# KiCad board oibus-mini-CCC_PANEL.kicad_pcb (continued)
## Routing (per net, layer and track width the routed paths; a pad name or vN(x,y) marks a point on that pad's centre or on a via; arc(x,y) is an arc through that point) (continued)
  Bottom w0.2: v2(44,25.21) 47.52,25.21 v2(47.86,24.87) ; v2(59.6,25.92) 59.6,24.79 v2(59.95,24.44) ; v2(81,25.21) 84.52,25.21 v2(84.86,24.87) ; v2(96.6,25.92) 96.6,24.79 v2(96.95,24.44) ; v2(118,25.21) 121.52,25.21 v2(121.86,24.87) ; v2(133.6,25.92) 133.6,24.79 v2(133.95,24.44) ; v2(155,25.21) 158.52,25.21 v2(158.86,24.87) ; v2(170.6,25.92) 170.6,24.79 v2(170.95,24.44) ; v2(192,25.21) 195.52,25.21 v2(195.86,24.87) ; v2(207.6,25.92) 207.6,24.79 v2(207.95,24.44) ; v2(229,25.21) 232.52,25.21 v2(232.86,24.87) ; v2(244.6,25.92) 244.6,24.79 v2(244.95,24.44) ; v2(266,25.21) 269.52,25.21 v2(269.86,24.87) ; v2(281.6,25.92) 281.6,24.79 v2(281.95,24.44) ; v2(7,91.21) 10.52,91.21 v2(10.86,90.87) ; v2(22.6,91.92) 22.6,90.79 v2(22.95,90.44) ; v2(81,91.21) 84.52,91.21 v2(84.86,90.87) ; v2(96.6,91.92) 96.6,90.79 v2(96.95,90.44) ; v2(44,91.21) 47.52,91.21 v2(47.86,90.87) ; v2(59.6,91.92) 59.6,90.79 v2(59.95,90.44) ; v2(118,91.21) 121.52,91.21 v2(121.86,90.87) ; v2(133.6,91.92) 133.6,90.79 v2(133.95,90.44) ; v2(155,91.21) 158.52,91.21 v2(158.86,90.87) ; v2(170.6,91.92) 170.6,90.79 v2(170.95,90.44) ; v2(192,91.21) 195.52,91.21 v2(195.86,90.87) ; v2(207.6,91.92) 207.6,90.79 v2(207.95,90.44) ; v2(281.95,90.44) 281.6,90.79 v2(281.6,91.92) ; v2(266,91.21) 269.52,91.21 v2(269.86,90.87) ; v2(229,91.21) 232.52,91.21 v2(232.86,90.87) ; v2(244.6,91.92) 244.6,90.79 v2(244.95,90.44) ; v2(22.95,222.44) 22.6,222.79 v2(22.6,223.92) ; v2(7,223.21) 10.52,223.21 v2(10.86,222.87) ; v2(96.6,223.92) 96.6,222.79 v2(96.95,222.44) ; v2(81,223.21) 84.52,223.21 v2(84.86,222.87) ; v2(44,223.21) 47.52,223.21 v2(47.86,222.87) ; v2(59.6,223.92) 59.6,222.79 v2(59.95,222.44) ; v2(133.95,222.44) 133.6,222.79 v2(133.6,223.92) ; v2(118,223.21) 121.52,223.21 v2(121.86,222.87) ; v2(155,223.21) 158.52,223.21 v2(158.86,222.87) ; v2(170.6,223.92) 170.6,222.79 v2(170.95,222.44) ; v2(7,157.21) 10.52,157.21 v2(10.86,156.87) ; v2(22.6,157.92) 22.6,156.79 v2(22.95,156.44) ; v2(81,157.21) 84.52,157.21 v2(84.86,156.87) ; v2(96.6,157.92) 96.6,156.79 v2(96.95,156.44) ; v2(44,157.21) 47.52,157.21 v2(47.86,156.87) ; v2(59.6,157.92) 59.6,156.79 v2(59.95,156.44) ; v2(118,157.21) 121.52,157.21 v2(121.86,156.87) ; v2(133.6,157.92) 133.6,156.79 v2(133.95,156.44) ; v2(155,157.21) 158.52,157.21 v2(158.86,156.87) ; v2(170.6,157.92) 170.6,156.79 v2(170.95,156.44) ; v2(192,157.21) 195.52,157.21 v2(195.86,156.87) ; v2(207.6,157.92) 207.6,156.79 v2(207.95,156.44) ; v2(281.95,156.44) 281.6,156.79 v2(281.6,157.92) ; v2(266,157.21) 269.52,157.21 v2(269.86,156.87) ; v2(229,157.21) 232.52,157.21 v2(232.86,156.87) ; v2(244.6,157.92) 244.6,156.79 v2(244.95,156.44) ; v2(192,223.21) 195.52,223.21 v2(195.86,222.87) ; v2(207.6,223.92) 207.6,222.79 v2(207.95,222.44) ; v2(281.95,222.44) 281.6,222.79 v2(281.6,223.92) ; v2(229,223.21) 232.52,223.21 v2(232.86,222.87) ; v2(244.6,223.92) 244.6,222.79 v2(244.95,222.44) ; v2(266,223.21) 269.52,223.21 v2(269.86,222.87) ; v2(22.6,25.92) 22.6,24.79 v2(22.95,24.44) ; v2(7,25.21) 10.52,25.21 v2(10.86,24.87)
/SDA: length 1695.4
  Top w0.15: 40,21.56 39.75,21.56 ; v2(44,24.41) 40,24.41 39.25,23.66 39.25,22.41 39.8,21.86 U6#2.1 ; 77,21.56 76.75,21.56 ; v2(81,24.41) 77,24.41 76.25,23.66 76.25,22.41 76.8,21.86 U6#3.1 ; 114,21.56 113.75,21.56 ; v2(118,24.41) 114,24.41 113.25,23.66 113.25,22.41 113.8,21.86 U6#4.1 ; 151,21.56 150.75,21.56 ; v2(155,24.41) 151,24.41 150.25,23.66 150.25,22.41 150.8,21.86 U6#5.1 ; v2(192,24.41) 188,24.41 187.25,23.66 187.25,22.41 187.8,21.86 U6#6.1 ; 188,21.56 187.75,21.56 ; v2(229,24.41) 225,24.41 224.25,23.66 224.25,22.41 224.8,21.86 U6#7.1 ; 225,21.56 224.75,21.56 ; 262,21.56 261.75,21.56 ; v2(266,24.41) 262,24.41 261.25,23.66 261.25,22.41 261.8,21.86 U6#8.1 ; 3,87.56 2.75,87.56 ; v2(7,90.41) 3,90.41 2.25,89.66 2.25,88.41 2.8,87.86 U6#10.1 ; 77,87.56 76.75,87.56 ; v2(81,90.41) 77,90.41 76.25,89.66 76.25,88.41 76.8,87.86 U6#9.1 ; 40,87.56 39.75,87.56 ; v2(44,90.41) 40,90.41 39.25,89.66 39.25,88.41 39.8,87.86 U6#12.1 ; v2(118,90.41) 114,90.41 113.25,89.66 113.25,88.41 113.8,87.86 U6#11.1 ; 114,87.56 113.75,87.56 ; v2(155,90.41) 151,90.41 150.25,89.66 150.25,88.41 150.8,87.86 U6#13.1 ; 151,87.56 150.75,87.56 ; 188,87.56 187.75,87.56 ; v2(192,90.41) 188,90.41 187.25,89.66 187.25,88.41 187.8,87.86 U6#14.1 ; v2(266,90.41) 262,90.41 261.25,89.66 261.25,88.41 261.8,87.86 U6#16.1 ; 262,87.56 261.75,87.56 ; 225,87.56 224.75,87.56 ; v2(229,90.41) 225,90.41 224.25,89.66 224.25,88.41 224.8,87.86 U6#15.1 ; 3,219.56 2.75,219.56 ; v2(7,222.41) 3,222.41 2.25,221.66 2.25,220.41 2.8,219.86 U6#24.1 ; 77,219.56 76.75,219.56 ; v2(81,222.41) 77,222.41 76.25,221.66 76.25,220.41 76.8,219.86 U6#23.1 ; v2(44,222.41) 40,222.41 39.25,221.66 39.25,220.41 39.8,219.86 U6#28.1 ; 40,219.56 39.75,219.56 ; 114,219.56 113.75,219.56 ; v2(118,222.41) 114,222.41 113.25,221.66 113.25,220.41 113.8,219.86 U6#27.1 ; 151,219.56 150.75,219.56 ; v2(155,222.41) 151,222.41 150.25,221.66 150.25,220.41 150.8,219.86 U6#29.1 ; 3,153.56 2.75,153.56 ; v2(7,156.41) 3,156.41 2.25,155.66 2.25,154.41 2.8,153.86 U6#18.1 ; 77,153.56 76.75,153.56 ; v2(81,156.41) 77,156.41 76.25,155.66 76.25,154.41 76.8,153.86 U6#17.1 ; 40,153.56 39.75,153.56 ; v2(44,156.41) 40,156.41 39.25,155.66 39.25,154.41 39.8,153.86 U6#20.1 ; v2(118,156.41) 114,156.41 113.25,155.66 113.25,154.41 113.8,153.86 U6#19.1 ; 114,153.56 113.75,153.56 ; v2(155,156.41) 151,156.41 150.25,155.66 150.25,154.41 150.8,153.86 U6#21.1 ; 151,153.56 150.75,153.56 ; 188,153.56 187.75,153.56 ; v2(192,156.41) 188,156.41 187.25,155.66 187.25,154.41 187.8,153.86 U6#22.1 ; v2(266,156.41) 262,156.41 261.25,155.66 261.25,154.41 261.8,153.86 U6#26.1 ; 262,153.56 261.75,153.56 ; 225,153.56 224.75,153.56 ; v2(229,156.41) 225,156.41 224.25,155.66 224.25,154.41 224.8,153.86 U6#25.1 ; v2(192,222.41) 188,222.41 187.25,221.66 187.25,220.41 187.8,219.86 U6#30.1 ; 188,219.56 187.75,219.56 ; v2(229,222.41) 225,222.41 224.25,221.66 224.25,220.41 224.8,219.86 U6#31.1 ; 225,219.56 224.75,219.56 ; 262,219.56 261.75,219.56 ; U6#32.1 261.8,219.86 261.25,220.41 261.25,221.66 262,222.41 v2(266,222.41) ; v2(7,24.41) 3,24.41 2.25,23.66 2.25,22.41 2.8,21.86 U6.1 ; 3,21.56 2.75,21.56
  Top w0.2: 61.8,24.83 61.9,24.83 62.2,25.14 62.2,26.47 R10#2.2 61.46,27.86 63.39,29.79 U8#2.43 ; 61.8,24.83 61.44,24.83 60.1,23.5 60.1,23.34 59.5,22.74 59.5,17.4 55.97,13.87 55.97,11.9 H2#2.5 ; 61.8,24.83 60.83,24.83 60.45,25.21 59.35,25.21 58.15,24.01 54.08,24.01 53.58,24.51 51.67,24.51 51.53,24.38 48.54,24.38 48.24,24.08 v2(47.82,24.08) ; 98.8,24.83 98.9,24.83 99.2,25.14 99.2,26.47 R10#4.2 98.46,27.86 100.39,29.79 U8#4.43 ; 98.8,24.83 98.44,24.83 97.1,23.5 97.1,23.34 96.5,22.74 96.5,17.4 92.97,13.87 92.97,11.9 H2#3.5 ; 98.8,24.83 97.83,24.83 97.45,25.21 96.35,25.21 95.15,24.01 91.08,24.01 90.58,24.51 88.67,24.51 88.53,24.38 85.54,24.38 85.24,24.08 v2(84.82,24.08) ; 135.8,24.83 135.9,24.83 136.2,25.14 136.2,26.47 R10#3.2 135.46,27.86 137.39,29.79 U8#3.43 ; 135.8,24.83 135.44,24.83 134.1,23.5 134.1,23.34 133.5,22.74 133.5,17.4 129.97,13.87 129.97,11.9 H2#4.5 ; 135.8,24.83 134.83,24.83 134.45,25.21 133.35,25.21 132.15,24.01 128.08,24.01 127.58,24.51 125.67,24.51 125.53,24.38 122.54,24.38 122.24,24.08 v2(121.82,24.08) ; 172.8,24.83 172.9,24.83 173.2,25.14 173.2,26.47 R10#6.2 172.46,27.86 174.39,29.79 U8#6.43 ; 172.8,24.83 172.44,24.83 171.1,23.5 171.1,23.34 170.5,22.74 170.5,17.4 166.97,13.87 166.97,11.9 H2#6.5 ; 172.8,24.83 171.83,24.83 171.45,25.21 170.35,25.21 169.15,24.01 165.08,24.01 164.58,24.51 162.67,24.51 162.53,24.38 159.54,24.38 159.24,24.08 v2(158.82,24.08) ; 209.8,24.83 208.83,24.83 208.45,25.21 207.35,25.21 206.15,24.01 202.08,24.01 201.58,24.51 199.67,24.51 199.53,24.38 196.54,24.38 196.24,24.08 v2(195.82,24.08) ; 209.8,24.83 209.9,24.83 210.2,25.14 210.2,26.47 R10#5.2 209.46,27.86 211.39,29.79 U8#5.43 ; 209.8,24.83 209.44,24.83 208.1,23.5 208.1,23.34 207.5,22.74 207.5,17.4 203.97,13.87 203.97,11.9 H2#5.5 ; v2(232.82,24.08) 233.24,24.08 233.54,24.38 236.53,24.38 236.67,24.51 238.58,24.51 239.08,24.01 243.15,24.01 244.35,25.21 245.45,25.21 245.83,24.83 246.8,24.83 ; 246.8,24.83 246.9,24.83 247.2,25.14 247.2,26.47 R10#8.2 246.46,27.86 248.39,29.79 U8#7.43 ; 246.8,24.83 246.44,24.83 245.1,23.5 245.1,23.34 244.5,22.74 244.5,17.4 240.97,13.87 240.97,11.9 H2#7.5 ; 283.8,24.83 283.9,24.83 284.2,25.14 284.2,26.47 R10#7.2 283.46,27.86 285.39,29.79 U8#8.43 ; 283.8,24.83 283.44,24.83 282.1,23.5 282.1,23.34 281.5,22.74 281.5,17.4 277.97,13.87 277.97,11.9 H2#8.5 ; 283.8,24.83 282.83,24.83 282.45,25.21 281.35,25.21 280.15,24.01 276.08,24.01 275.58,24.51 273.67,24.51 273.53,24.38 270.54,24.38 270.24,24.08 v2(269.82,24.08) ; 24.8,90.83 24.9,90.83 25.2,91.14 25.2,92.47 R10#10.2 24.46,93.86 26.39,95.79 U8#11.43 ; 24.8,90.83 24.44,90.83 23.1,89.5 23.1,89.34 22.5,88.74 22.5,83.4 18.97,79.87 18.97,77.9 H2#9.5 ; 24.8,90.83 23.83,90.83 23.45,91.21 22.35,91.21 21.15,90.01 17.08,90.01 16.58,90.51 14.67,90.51 14.53,90.38 11.54,90.38 11.24,90.08 v2(10.82,90.08) ; 98.8,90.83 98.9,90.83 99.2,91.14 99.2,92.47 R10#14.2 98.46,93.86 100.39,95.79 U8#13.43 ; 98.8,90.83 98.44,90.83 97.1,89.5 97.1,89.34 96.5,88.74 96.5,83.4 92.97,79.87 92.97,77.9 H2#13.5 ; 98.8,90.83 97.83,90.83 97.45,91.21 96.35,91.21 95.15,90.01 91.08,90.01 90.58,90.51 88.67,90.51 88.53,90.38 85.54,90.38 85.24,90.08 v2(84.82,90.08) ; 61.8,90.83 61.9,90.83 62.2,91.14 62.2,92.47 R10#9.2 61.46,93.86 63.39,95.79 U8#9.43 ; 61.8,90.83 61.44,90.83 60.1,89.5 60.1,89.34 59.5,88.74 59.5,83.4 55.97,79.87 55.97,77.9 H2#12.5 ; 61.8,90.83 60.83,90.83 60.45,91.21 59.35,91.21 58.15,90.01 54.08,90.01 53.58,90.51 51.67,90.51 51.53,90.38 48.54,90.38 48.24,90.08 v2(47.82,90.08) ; 135.8,90.83 134.83,90.83 134.45,91.21 133.35,91.21 132.15,90.01 128.08,90.01 127.58,90.51 125.67,90.51 125.53,90.38 122.54,90.38 122.24,90.08 v2(121.82,90.08) ; 135.8,90.83 135.9,90.83 136.2,91.14 136.2,92.47 R10#13.2 135.46,93.86 137.39,95.79 U8#10.43 ; 135.8,90.83 135.44,90.83 134.1,89.5 134.1,89.34 133.5,88.74 133.5,83.4 129.97,79.87 129.97,77.9 H2#11.5 ; v2(158.82,90.08) 159.24,90.08 159.54,90.38 162.53,90.38 162.67,90.51 164.58,90.51 165.08,90.01 169.15,90.01 170.35,91.21 171.45,91.21 171.83,90.83 172.8,90.83 ; 172.8,90.83 172.9,90.83 173.2,91.14 173.2,92.47 R10#12.2 172.46,93.86 174.39,95.79 U8#12.43 ; 172.8,90.83 172.44,90.83 171.1,89.5 171.1,89.34 170.5,88.74 170.5,83.4 166.97,79.87 166.97,77.9 H2#10.5 ; 209.8,90.83 209.9,90.83 210.2,91.14 210.2,92.47 R10#11.2 209.46,93.86 211.39,95.79 U8#14.43 ; 209.8,90.83 209.44,90.83 208.1,89.5 208.1,89.34 207.5,88.74 207.5,83.4 203.97,79.87 203.97,77.9 H2#14.5 ; 209.8,90.83 208.83,90.83 208.45,91.21 207.35,91.21 206.15,90.01 202.08,90.01 201.58,90.51 199.67,90.51 199.53,90.38 196.54,90.38 196.24,90.08 v2(195.82,90.08) ; 283.8,90.83 282.83,90.83 282.45,91.21 281.35,91.21 280.15,90.01 276.08,90.01 275.58,90.51 273.67,90.51 273.53,90.38 270.54,90.38 270.24,90.08 v2(269.82,90.08) ; 283.8,90.83 283.9,90.83 284.2,91.14 284.2,92.47 R10#15.2 283.46,93.86 285.39,95.79 U8#16.43 ; 283.8,90.83 283.44,90.83 282.1,89.5 282.1,89.34 281.5,88.74 281.5,83.4 277.97,79.87 277.97,77.9 H2#16.5 ; U8#15.43 248.39,95.79 246.46,93.86 R10#16.2 247.2,92.47 247.2,91.14 246.9,90.83 246.8,90.83 ; 246.8,90.83 246.44,90.83 245.1,89.5 245.1,89.34 244.5,88.74 244.5,83.4 240.97,79.87 240.97,77.9 H2#15.5 ; 246.8,90.83 245.83,90.83 245.45,91.21 244.35,91.21 243.15,90.01 239.08,90.01 238.58,90.51 236.67,90.51 236.53,90.38 233.54,90.38 233.24,90.08 v2(232.82,90.08) ; 24.8,222.83 24.9,222.83 25.2,223.14 25.2,224.47 R10#24.2 24.46,225.86 26.39,227.79 U8#25.43 ; 24.8,222.83 24.44,222.83 23.1,221.5 23.1,221.34 22.5,220.74 22.5,215.4 18.97,211.87 18.97,209.9 H2#23.5 ; 24.8,222.83 23.83,222.83 23.45,223.21 22.35,223.21 21.15,222.01 17.08,222.01 16.58,222.51 14.67,222.51 14.53,222.38 11.54,222.38 11.24,222.08 v2(10.82,222.08) ; 98.8,222.83 98.9,222.83 99.2,223.14 99.2,224.47 R10#30.2 98.46,225.86 100.39,227.79 U8#29.43 ; 98.8,222.83 98.44,222.83 97.1,221.5 97.1,221.34 96.5,220.74 96.5,215.4 92.97,211.87 92.97,209.9 H2#29.5 ; 98.8,222.83 97.83,222.83 97.45,223.21 96.35,223.21 95.15,222.01 91.08,222.01 90.58,222.51 88.67,222.51 88.53,222.38 85.54,222.38 85.24,222.08 v2(84.82,222.08) ; v2(47.82,222.08) 48.24,222.08 48.54,222.38 51.53,222.38 51.67,222.51 53.58,222.51 54.08,222.01 58.15,222.01 59.35,223.21 60.45,223.21 60.83,222.83 61.8,222.83 ; 61.8,222.83 61.9,222.83 62.2,223.14 62.2,224.47 R10#23.2 61.46,225.86 63.39,227.79 U8#21.43 ; 61.8,222.83 61.44,222.83 60.1,221.5 60.1,221.34 59.5,220.74 59.5,215.4 55.97,211.87 55.97,209.9 H2#28.5 ; 135.8,222.83 135.9,222.83 136.2,223.14 136.2,224.47 R10#29.2 135.46,225.86 137.39,227.79 U8#24.43 ; 135.8,222.83 135.44,222.83 134.1,221.5 134.1,221.34 133.5,220.74 133.5,215.4 129.97,211.87 129.97,209.9 H2#27.5 ; 135.8,222.83 134.83,222.83 134.45,223.21 133.35,223.21 132.15,222.01 128.08,222.01 127.58,222.51 125.67,222.51 125.53,222.38 122.54,222.38 122.24,222.08 v2(121.82,222.08) ; 172.8,222.83 172.9,222.83 173.2,223.14 173.2,224.47 R10#28.2 172.46,225.86 174.39,227.79 U8#28.43 ; 172.8,222.83 172.44,222.83 171.1,221.5 171.1,221.34 170.5,220.74 170.5,215.4 166.97,211.87 166.97,209.9 H2#26.5 ; 172.8,222.83 171.83,222.83 171.45,223.21 170.35,223.21 169.15,222.01 165.08,222.01 164.58,222.51 162.67,222.51 162.53,222.38 159.54,222.38 159.24,222.08 v2(158.82,222.08) ; 24.8,156.83 24.9,156.83 25.2,157.14 25.2,158.47 R10#18.2 24.46,159.86 26.39,161.79 U8#19.43 ; 24.8,156.83 24.44,156.83 23.1,155.5 23.1,155.34 22.5,154.74 22.5,149.4 18.97,145.87 18.97,143.9 H2#17.5 ; 24.8,156.83 23.83,156.83 23.45,157.21 22.35,157.21 21.15,156.01 17.08,156.01 16.58,156.51 14.67,156.51 14.53,156.38 11.54,156.38 11.24,156.08 v2(10.82,156.08) ; 98.8,156.83 98.9,156.83 99.2,157.14 99.2,158.47 R10#22.2 98.46,159.86 100.39,161.79 U8#22.43 ; 98.8,156.83 98.44,156.83 97.1,155.5 97.1,155.34 96.5,154.74 96.5,149.4 92.97,145.87 92.97,143.9 H2#21.5 ; 98.8,156.83 97.83,156.83 97.45,157.21 96.35,157.21 95.15,156.01 91.08,156.01 90.58,156.51 88.67,156.51 88.53,156.38 85.54,156.38 85.24,156.08 v2(84.82,156.08) ; 61.8,156.83 61.9,156.83 62.2,157.14 62.2,158.47 R10#17.2 61.46,159.86 63.39,161.79 U8#17.43 ; 61.8,156.83 61.44,156.83 60.1,155.5 60.1,155.34 59.5,154.74 59.5,149.4 55.97,145.87 55.97,143.9 H2#20.5 ; 61.8,156.83 60.83,156.83 60.45,157.21 59.35,157.21 58.15,156.01 54.08,156.01 53.58,156.51 51.67,156.51 51.53,156.38 48.54,156.38 48.24,156.08 v2(47.82,156.08) ; 135.8,156.83 134.83,156.83 134.45,157.21 133.35,157.21 132.15,156.01 128.08,156.01 127.58,156.51 125.67,156.51 125.53,156.38 122.54,156.38 122.24,156.08 v2(121.82,156.08) ; 135.8,156.83 135.9,156.83 136.2,157.14 136.2,158.47 R10#21.2 135.46,159.86 137.39,161.79 U8#18.43 ; 135.8,156.83 135.44,156.83 134.1,155.5 134.1,155.34 133.5,154.74 133.5,149.4 129.97,145.87 129.97,143.9 H2#19.5 ; v2(158.82,156.08) 159.24,156.08 159.54,156.38 162.53,156.38 162.67,156.51 164.58,156.51 165.08,156.01 169.15,156.01 170.35,157.21 171.45,157.21 171.83,156.83 172.8,156.83 ; 172.8,156.83 172.9,156.83 173.2,157.14 173.2,158.47 R10#20.2 172.46,159.86 174.39,161.79 U8#20.43 ; 172.8,156.83 172.44,156.83 171.1,155.5 171.1,155.34 170.5,154.74 170.5,149.4 166.97,145.87 166.97,143.9 H2#18.5 ; 209.8,156.83 209.9,156.83 210.2,157.14 210.2,158.47 R10#19.2 209.46,159.86 211.39,161.79 U8#23.43 ; 209.8,156.83 209.44,156.83 208.1,155.5 208.1,155.34 207.5,154.74 207.5,149.4 203.97,145.87 203.97,143.9 H2#22.5 ; 209.8,156.83 208.83,156.83 208.45,157.21 207.35,157.21 206.15,156.01 202.08,156.01 201.58,156.51 199.67,156.51 199.53,156.38 196.54,156.38 196.24,156.08 v2(195.82,156.08) ; 283.8,156.83 282.83,156.83 282.45,157.21 281.35,157.21 280.15,156.01 276.08,156.01 275.58,156.51 273.67,156.51 273.53,156.38 270.54,156.38 270.24,156.08 v2(269.82,156.08) ; 283.8,156.83 283.9,156.83 284.2,157.14 284.2,158.47 R10#25.2 283.46,159.86 285.39,161.79 U8#27.43 ; 283.8,156.83 283.44,156.83 282.1,155.5 282.1,155.34 281.5,154.74 281.5,149.4 277.97,145.87 277.97,143.9 H2#25.5 ; U8#26.43 248.39,161.79 246.46,159.86 R10#26.2 247.2,158.47 247.2,157.14 246.9,156.83 246.8,156.83 ; 246.8,156.83 246.44,156.83 245.1,155.5 245.1,155.34 244.5,154.74 244.5,149.4 240.97,145.87 240.97,143.9 H2#24.5 ; 246.8,156.83 245.83,156.83 245.45,157.21 244.35,157.21 243.15,156.01 239.08,156.01 238.58,156.51 236.67,156.51 236.53,156.38 233.54,156.38 233.24,156.08 v2(232.82,156.08) ; 209.8,222.83 208.83,222.83 208.45,223.21 207.35,223.21 206.15,222.01 202.08,222.01 201.58,222.51 199.67,222.51 199.53,222.38 196.54,222.38 196.24,222.08 v2(195.82,222.08) ; 209.8,222.83 209.9,222.83 210.2,223.14 210.2,224.47 R10#27.2 209.46,225.86 211.39,227.79 U8#30.43 ; 209.8,222.83 209.44,222.83 208.1,221.5 208.1,221.34 207.5,220.74 207.5,215.4 203.97,211.87 203.97,209.9 H2#30.5 ; 246.8,222.83 246.9,222.83 247.2,223.14 247.2,224.47 R10#32.2 246.46,225.86 248.39,227.79 U8#31.43 ; 246.8,222.83 246.44,222.83 245.1,221.5 245.1,221.34 244.5,220.74 244.5,215.4 240.97,211.87 240.97,209.9 H2#31.5 ; 246.8,222.83 245.83,222.83 245.45,223.21 244.35,223.21 243.15,222.01 239.08,222.01 238.58,222.51 236.67,222.51 236.53,222.38 233.54,222.38 233.24,222.08 v2(232.82,222.08) ; 283.8,222.83 283.9,222.83 284.2,223.14 284.2,224.47 R10#31.2 283.46,225.86 285.39,227.79 U8#32.43 ; 283.8,222.83 283.44,222.83 282.1,221.5 282.1,221.34 281.5,220.74 281.5,215.4 277.97,211.87 277.97,209.9 H2#32.5 ; 283.8,222.83 282.83,222.83 282.45,223.21 281.35,223.21 280.15,222.01 276.08,222.01 275.58,222.51 273.67,222.51 273.53,222.38 270.54,222.38 270.24,222.08 v2(269.82,222.08) ; 24.8,24.83 24.44,24.83 23.1,23.5 23.1,23.34 22.5,22.74 22.5,17.4 18.97,13.87 18.97,11.9 H2.5 ; 24.8,24.83 24.9,24.83 25.2,25.14 25.2,26.47 R10.2 24.46,27.86 26.39,29.79 U8.43 ; 24.8,24.83 23.83,24.83 23.45,25.21 22.35,25.21 21.15,24.01 17.08,24.01 16.58,24.51 14.67,24.51 14.53,24.38 11.54,24.38 11.24,24.08 v2(10.82,24.08)
  Bottom w0.2: v2(44,24.41) 44.33,24.08 v2(47.82,24.08) ; v2(81,24.41) 81.33,24.08 v2(84.82,24.08) ; v2(118,24.41) 118.33,24.08 v2(121.82,24.08) ; v2(155,24.41) 155.33,24.08 v2(158.82,24.08) ; v2(195.82,24.08) 192.33,24.08 v2(192,24.41) ; v2(232.82,24.08) 229.33,24.08 v2(229,24.41) ; v2(266,24.41) 266.33,24.08 v2(269.82,24.08) ; v2(7,90.41) 7.33,90.08 v2(10.82,90.08) ; v2(81,90.41) 81.33,90.08 v2(84.82,90.08) ; v2(44,90.41) 44.33,90.08 v2(47.82,90.08) ; v2(121.82,90.08) 118.33,90.08 v2(118,90.41) ; v2(158.82,90.08) 155.33,90.08 v2(155,90.41) ; v2(192,90.41) 192.33,90.08 v2(195.82,90.08) ; v2(269.82,90.08) 266.33,90.08 v2(266,90.41) ; v2(229,90.41) 229.33,90.08 v2(232.82,90.08) ; v2(7,222.41) 7.33,222.08 v2(10.82,222.08) ; v2(81,222.41) 81.33,222.08 v2(84.82,222.08) ; v2(44,222.41) 44.33,222.08 v2(47.82,222.08) ; v2(118,222.41) 118.33,222.08 v2(121.82,222.08) ; v2(158.82,222.08) 155.33,222.08 v2(155,222.41) ; v2(7,156.41) 7.33,156.08 v2(10.82,156.08) ; v2(81,156.41) 81.33,156.08 v2(84.82,156.08) ; v2(44,156.41) 44.33,156.08 v2(47.82,156.08) ; v2(121.82,156.08) 118.33,156.08 v2(118,156.41) ; v2(158.82,156.08) 155.33,156.08 v2(155,156.41) ; v2(192,156.41) 192.33,156.08 v2(195.82,156.08) ; v2(269.82,156.08) 266.33,156.08 v2(266,156.41) ; v2(229,156.41) 229.33,156.08 v2(232.82,156.08) ; v2(195.82,222.08) 192.33,222.08 v2(192,222.41) ; v2(232.82,222.08) 229.33,222.08 v2(229,222.41) ; v2(266,222.41) 266.33,222.08 v2(269.82,222.08) ; v2(10.82,24.08) 7.33,24.08 v2(7,24.41)
